# KiCad board mezi_panel.kicad_pcb
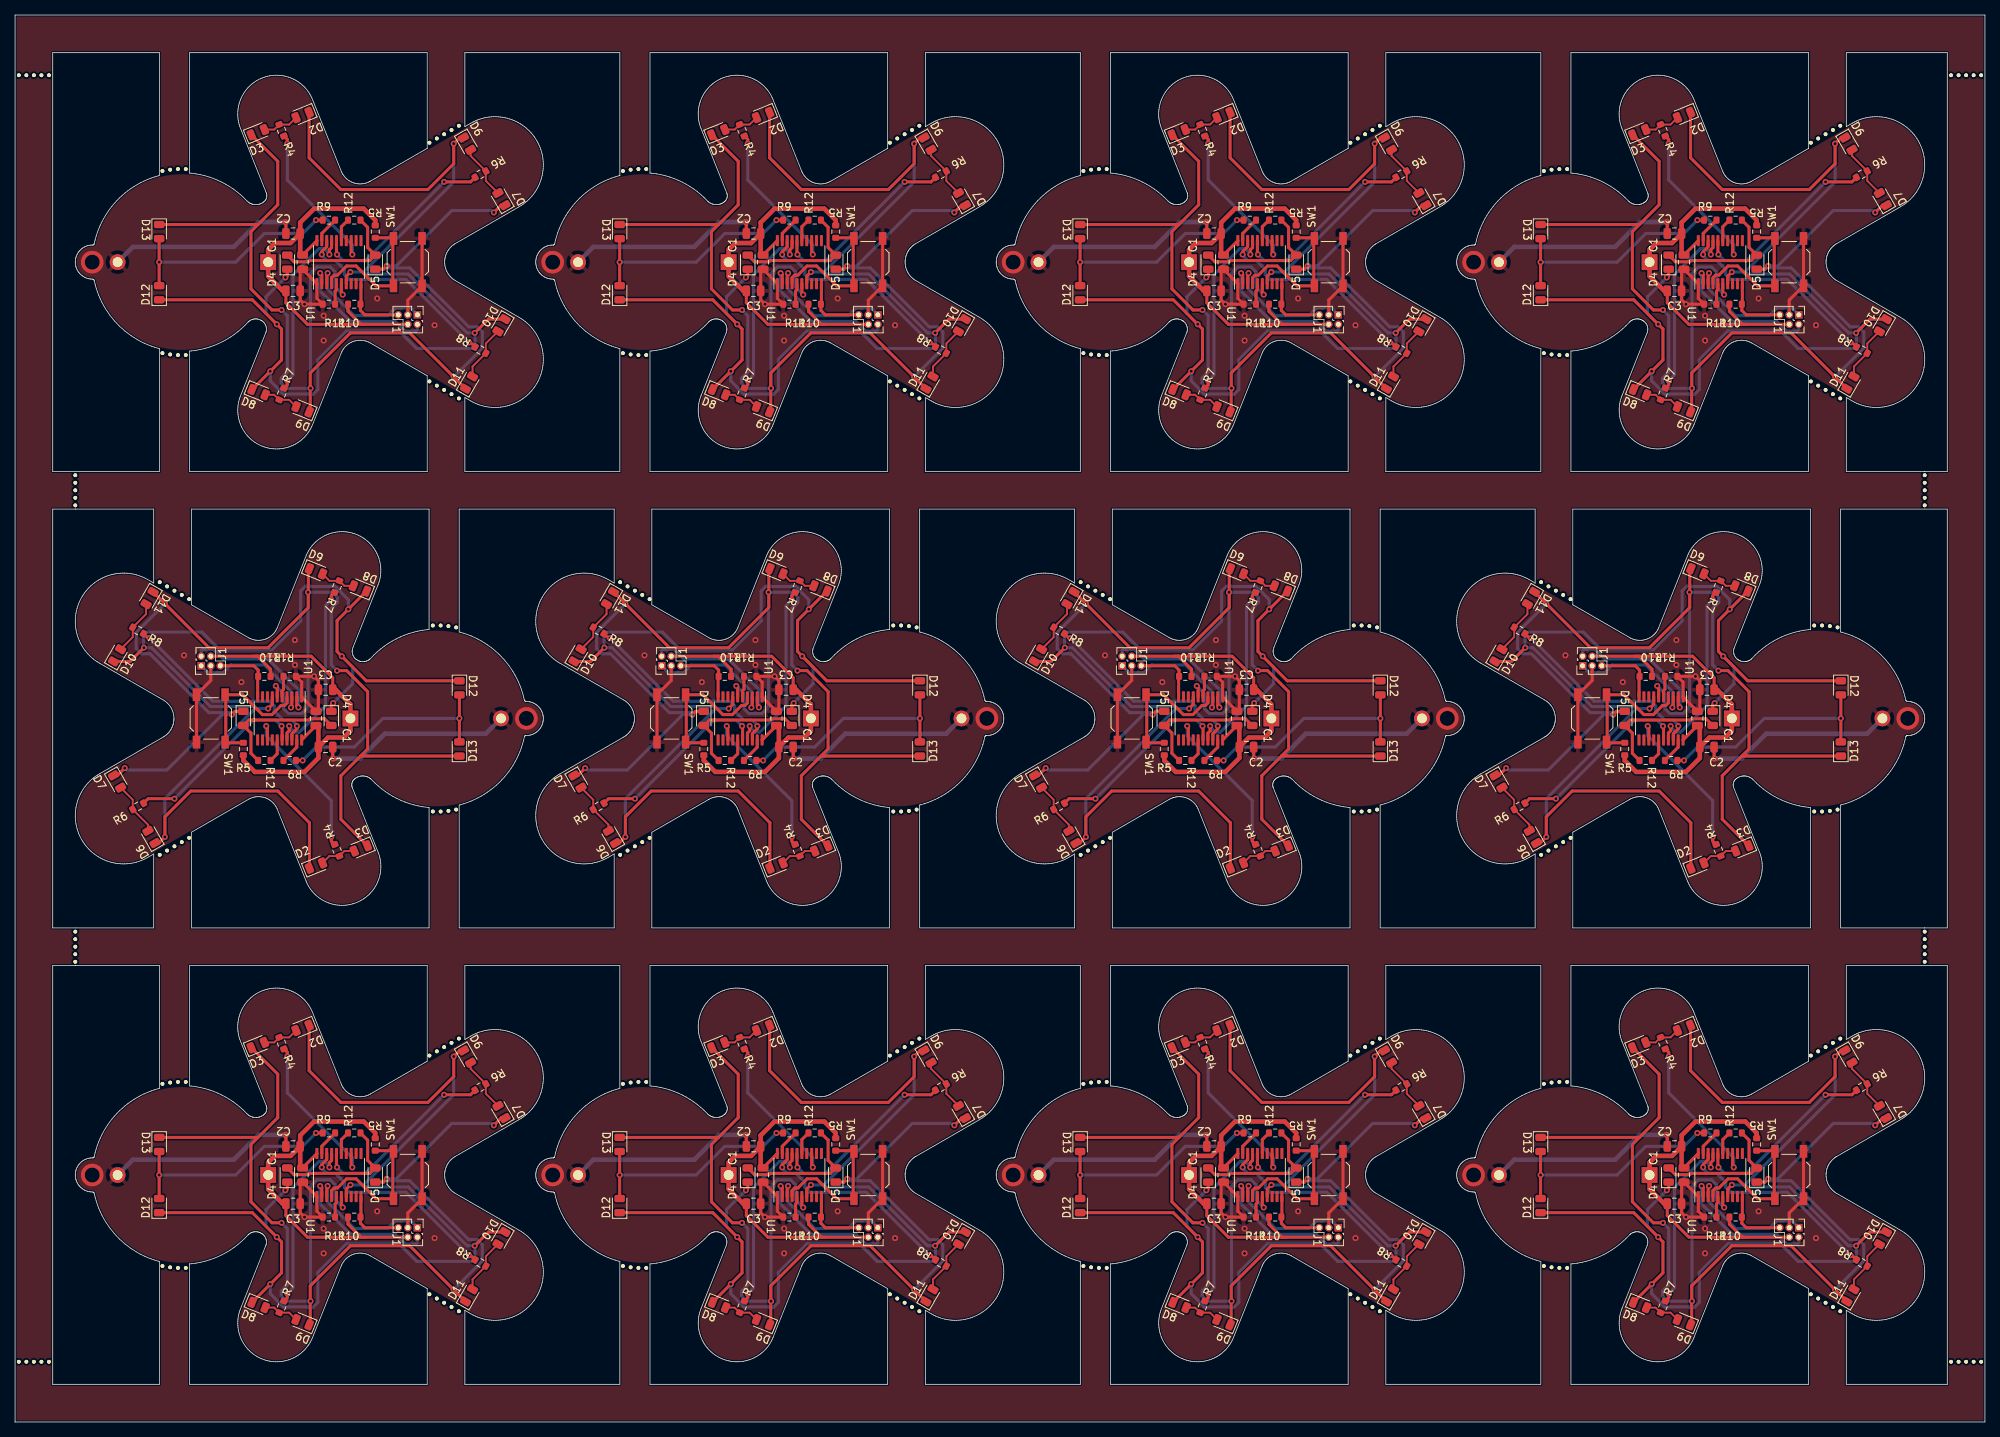
[diagram p0: board, top side]
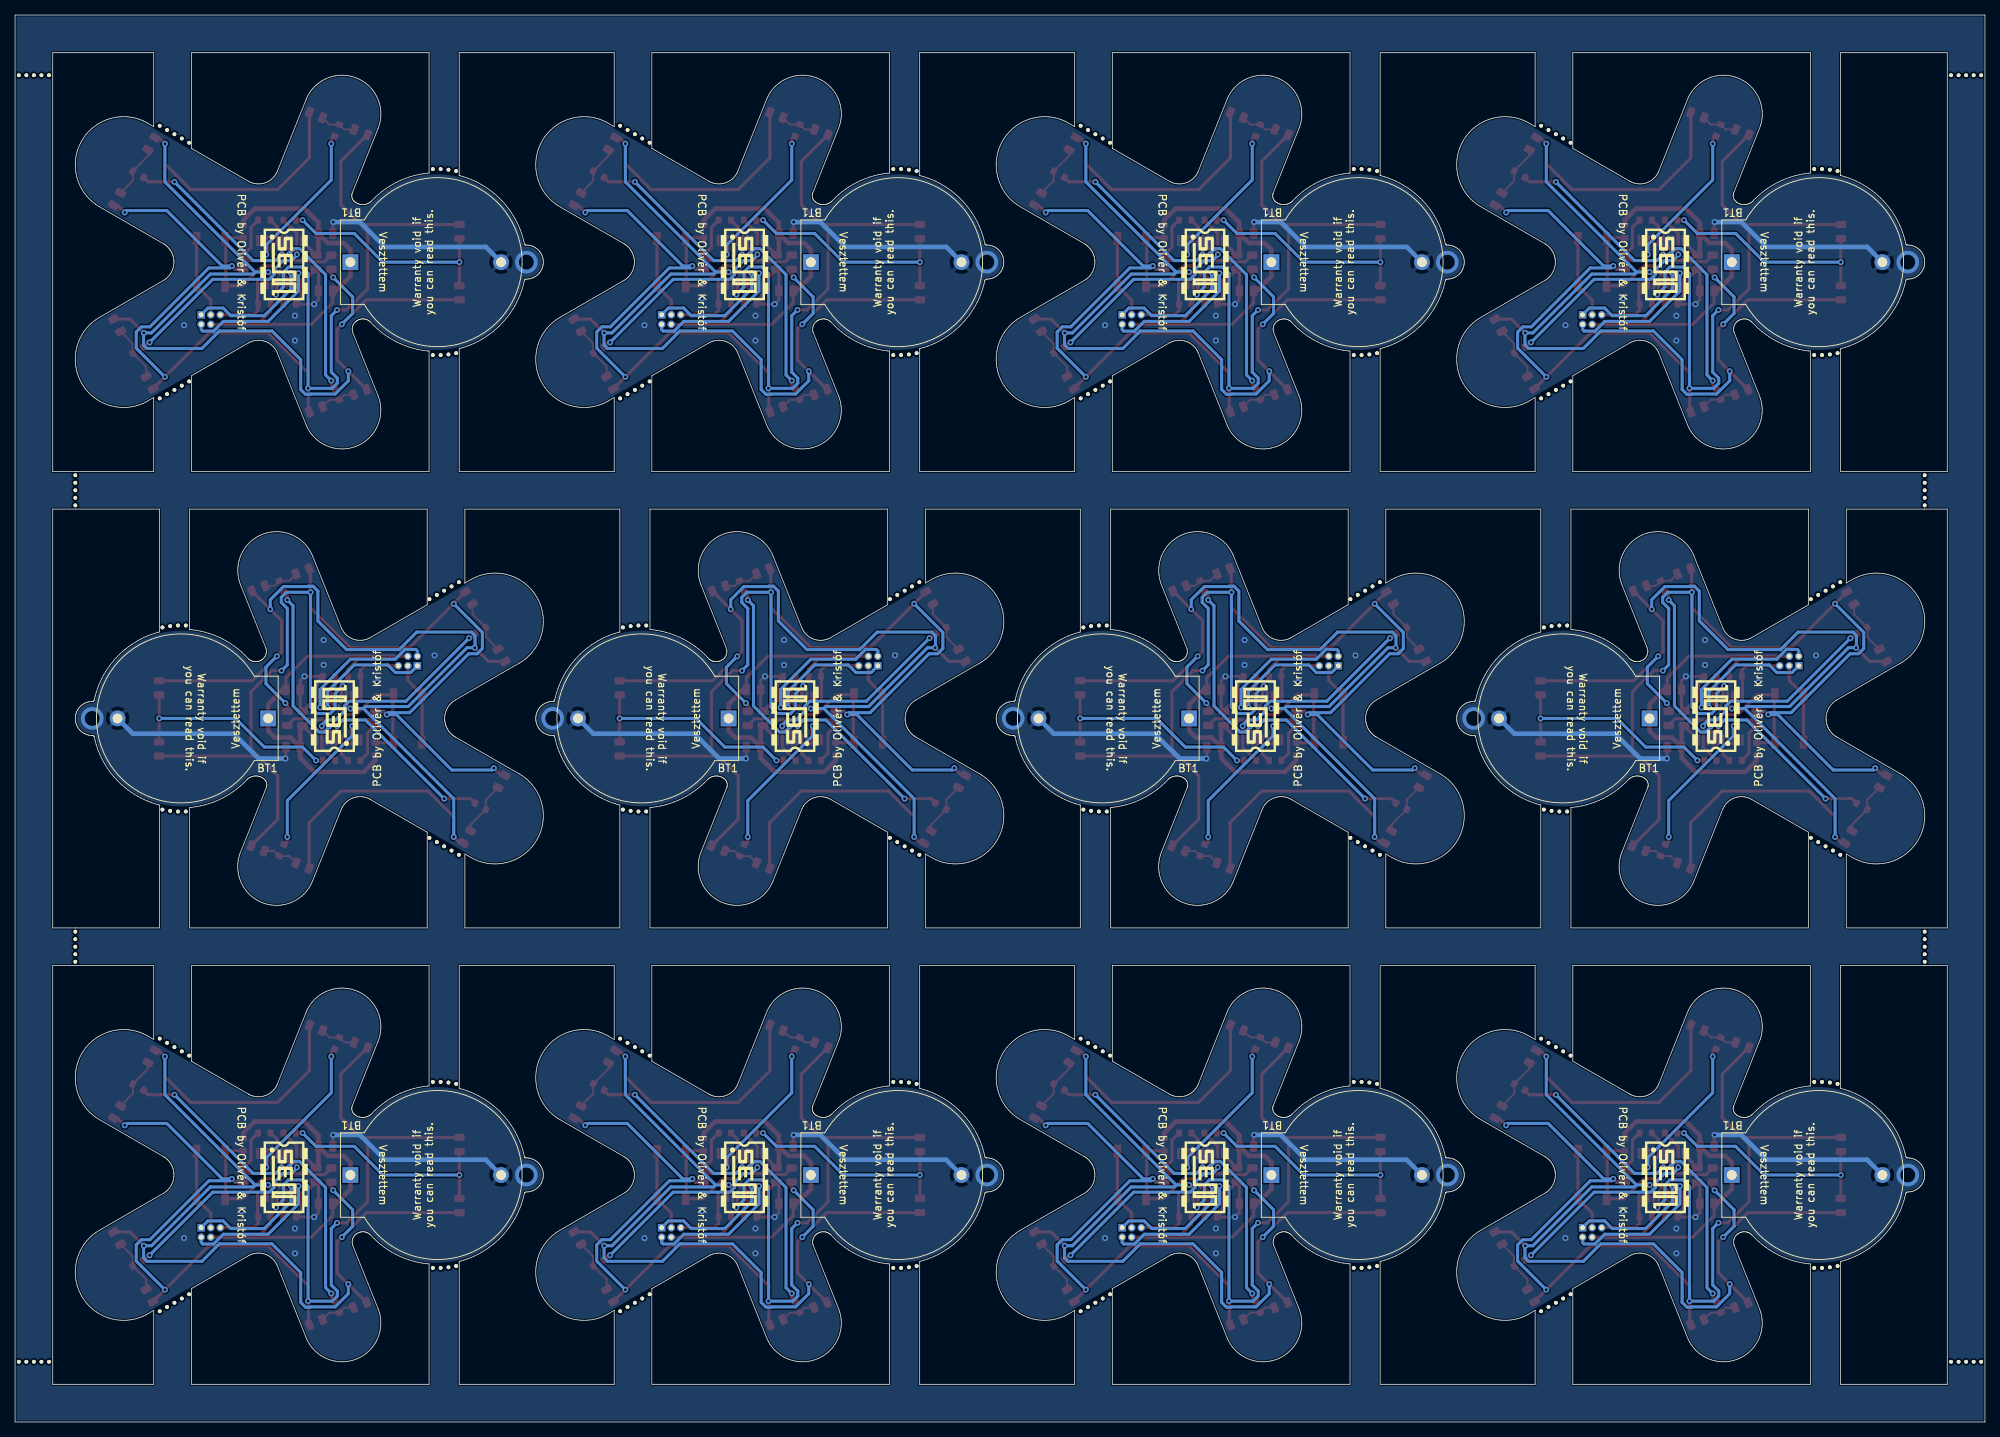
[diagram p1: board, bottom side, seen from below]

Outline 261.61 x 186.98 mm; copper layers: Top, Bottom. Coordinates in mm from the lower left corner of the outline.
Stack: Top 0.035mm / dielectric 1.51mm FR4 er 4.5 / Bottom 0.035mm

## Placement (name value [footprint] x y rotation side)
BT1  Battery  [CR2032_Holder]  94.77 154.13 180 bottom
BT1#2  Battery  [CR2032_Holder]  44.54 93.5 0 bottom
BT1#3  Battery  [CR2032_Holder]  155.92 32.82 180 bottom
BT1#4  Battery  [CR2032_Holder]  217.07 154.13 180 bottom
BT1#5  Battery  [CR2032_Holder]  94.77 32.82 180 bottom
BT1#6  Battery  [CR2032_Holder]  155.92 154.13 180 bottom
BT1#7  Battery  [CR2032_Holder]  166.84 93.5 0 bottom
BT1#8  Battery  [CR2032_Holder]  105.69 93.5 0 bottom
BT1#9  Battery  [CR2032_Holder]  228 93.5 0 bottom
BT1#10  Battery  [CR2032_Holder]  33.62 32.82 180 bottom
BT1#11  Battery  [CR2032_Holder]  217.07 32.82 180 bottom
BT1#12  Battery  [CR2032_Holder]  33.62 154.13 180 bottom
C1  100nF  [C_0805_2012Metric]  162.27 93.5 270 top
C1#2  100nF  [C_0805_2012Metric]  38.19 32.82 90 top
C1#3  100nF  [C_0805_2012Metric]  160.49 154.13 90 top
C1#4  100nF  [C_0805_2012Metric]  221.65 32.82 90 top
C1#5  100nF  [C_0805_2012Metric]  99.34 154.13 90 top
C1#6  100nF  [C_0805_2012Metric]  39.97 93.5 270 top
C1#7  100nF  [C_0805_2012Metric]  101.12 93.5 270 top
C1#8  100nF  [C_0805_2012Metric]  38.19 154.13 90 top
C1#9  100nF  [C_0805_2012Metric]  99.34 32.82 90 top
C1#10  100nF  [C_0805_2012Metric]  160.49 32.82 90 top
C1#11  100nF  [C_0805_2012Metric]  221.65 154.13 90 top
C1#12  100nF  [C_0805_2012Metric]  223.43 93.5 270 top
C2  10uF  [C_0805_2012Metric]  163.54 89.69 0 top
C2#2  10uF  [C_0805_2012Metric]  159.22 157.94 180 top
C2#3  10uF  [C_0805_2012Metric]  220.38 36.63 180 top
C2#4  10uF  [C_0805_2012Metric]  36.92 157.94 180 top
C2#5  10uF  [C_0805_2012Metric]  102.39 89.69 0 top
C2#6  10uF  [C_0805_2012Metric]  41.24 89.69 0 top
C2#7  10uF  [C_0805_2012Metric]  220.38 157.94 180 top
C2#8  10uF  [C_0805_2012Metric]  224.7 89.69 0 top
C2#9  10uF  [C_0805_2012Metric]  36.92 36.63 180 top
C2#10  10uF  [C_0805_2012Metric]  98.07 36.63 180 top
C2#11  10uF  [C_0805_2012Metric]  98.07 157.94 180 top
C2#12  10uF  [C_0805_2012Metric]  159.22 36.63 180 top
C3  10uF  [C_0805_2012Metric]  159.22 150.32 0 top
C3#2  10uF  [C_0805_2012Metric]  220.38 150.32 0 top
C3#3  10uF  [C_0805_2012Metric]  163.54 97.31 180 top
C3#4  10uF  [C_0805_2012Metric]  102.39 97.31 180 top
C3#5  10uF  [C_0805_2012Metric]  36.92 29.01 0 top
C3#6  10uF  [C_0805_2012Metric]  98.07 150.32 0 top
C3#7  10uF  [C_0805_2012Metric]  220.38 29.01 0 top
C3#8  10uF  [C_0805_2012Metric]  98.07 29.01 0 top
C3#9  10uF  [C_0805_2012Metric]  224.7 97.31 180 top
C3#10  10uF  [C_0805_2012Metric]  36.92 150.32 0 top
C3#11  10uF  [C_0805_2012Metric]  159.22 29.01 0 top
C3#12  10uF  [C_0805_2012Metric]  41.24 97.31 180 top
D2  LED  [LED_0805_2012Metric]  38.19 52.38 202 top
D2#2  LED  [LED_0805_2012Metric]  99.34 173.69 202 top
D2#3  LED  [LED_0805_2012Metric]  162.27 73.94 22 top
D2#4  LED  [LED_0805_2012Metric]  38.19 173.69 202 top
D2#5  LED  [LED_0805_2012Metric]  39.97 73.94 22 top
D2#6  LED  [LED_0805_2012Metric]  221.65 52.38 202 top
D2#7  LED  [LED_0805_2012Metric]  99.34 52.38 202 top
D2#8  LED  [LED_0805_2012Metric]  101.12 73.94 22 top
D2#9  LED  [LED_0805_2012Metric]  221.65 173.69 202 top
D2#10  LED  [LED_0805_2012Metric]  160.49 52.38 202 top
D2#11  LED  [LED_0805_2012Metric]  160.49 173.69 202 top
D2#12  LED  [LED_0805_2012Metric]  223.43 73.94 22 top
D3  LED  [LED_0805_2012Metric]  215.7 171.41 22 top
D3#2  LED  [LED_0805_2012Metric]  93.39 171.41 22 top
D3#3  LED  [LED_0805_2012Metric]  93.39 50.09 22 top
D3#4  LED  [LED_0805_2012Metric]  45.92 76.23 202 top
D3#5  LED  [LED_0805_2012Metric]  154.54 50.09 22 top
D3#6  LED  [LED_0805_2012Metric]  215.7 50.09 22 top
D3#7  LED  [LED_0805_2012Metric]  154.54 171.41 22 top
D3#8  LED  [LED_0805_2012Metric]  229.37 76.23 202 top
D3#9  LED  [LED_0805_2012Metric]  107.07 76.23 202 top
D3#10  LED  [LED_0805_2012Metric]  32.24 50.09 22 top
D3#11  LED  [LED_0805_2012Metric]  32.24 171.41 22 top
D3#12  LED  [LED_0805_2012Metric]  168.22 76.23 202 top
D4  LED  [LED_0805_2012Metric]  97.31 154.13 90 top
D4#2  LED  [LED_0805_2012Metric]  36.16 32.82 90 top
D4#3  LED  [LED_0805_2012Metric]  97.31 32.82 90 top
D4#4  LED  [LED_0805_2012Metric]  158.46 154.13 90 top
D4#5  LED  [LED_0805_2012Metric]  164.3 93.5 270 top
D4#6  LED  [LED_0805_2012Metric]  225.46 93.5 270 top
D4#7  LED  [LED_0805_2012Metric]  158.46 32.82 90 top
D4#8  LED  [LED_0805_2012Metric]  42 93.5 270 top
D4#9  LED  [LED_0805_2012Metric]  36.16 154.13 90 top
D4#10  LED  [LED_0805_2012Metric]  219.61 32.82 90 top
D4#11  LED  [LED_0805_2012Metric]  219.61 154.13 90 top
D4#12  LED  [LED_0805_2012Metric]  103.15 93.5 270 top
D5  LED  [LED_0805_2012Metric]  91.47 93.5 270 top
D5#2  LED  [LED_0805_2012Metric]  170.15 154.13 90 top
D5#3  LED  [LED_0805_2012Metric]  108.99 154.13 90 top
D5#4  LED  [LED_0805_2012Metric]  231.3 32.82 90 top
D5#5  LED  [LED_0805_2012Metric]  47.84 154.13 90 top
D5#6  LED  [LED_0805_2012Metric]  231.3 154.13 90 top
D5#7  LED  [LED_0805_2012Metric]  213.77 93.5 270 top
D5#8  LED  [LED_0805_2012Metric]  152.62 93.5 270 top
D5#9  LED  [LED_0805_2012Metric]  170.15 32.82 90 top
D5#10  LED  [LED_0805_2012Metric]  30.31 93.5 270 top
D5#11  LED  [LED_0805_2012Metric]  108.99 32.82 90 top
D5#12  LED  [LED_0805_2012Metric]  47.84 32.82 90 top
D6  LED  [LED_0805_2012Metric]  121.18 48.57 300 top
D6#2  LED  [LED_0805_2012Metric]  121.18 169.88 300 top
D6#3  LED  [LED_0805_2012Metric]  182.34 48.57 300 top
D6#4  LED  [LED_0805_2012Metric]  60.03 48.57 300 top
D6#5  LED  [LED_0805_2012Metric]  182.34 169.88 300 top
D6#6  LED  [LED_0805_2012Metric]  140.43 77.75 120 top
D6#7  LED  [LED_0805_2012Metric]  60.03 169.88 300 top
D6#8  LED  [LED_0805_2012Metric]  18.12 77.75 120 top
D6#9  LED  [LED_0805_2012Metric]  79.28 77.75 120 top
D6#10  LED  [LED_0805_2012Metric]  243.49 169.88 300 top
D6#11  LED  [LED_0805_2012Metric]  201.58 77.75 120 top
D6#12  LED  [LED_0805_2012Metric]  243.49 48.57 300 top
D7  LED  [LED_0805_2012Metric]  248.06 162.52 120 top
D7#2  LED  [LED_0805_2012Metric]  64.6 41.2 120 top
D7#3  LED  [LED_0805_2012Metric]  135.86 85.12 300 top
D7#4  LED  [LED_0805_2012Metric]  186.91 41.2 120 top
D7#5  LED  [LED_0805_2012Metric]  197.01 85.12 300 top
D7#6  LED  [LED_0805_2012Metric]  64.6 162.52 120 top
D7#7  LED  [LED_0805_2012Metric]  125.76 41.2 120 top
D7#8  LED  [LED_0805_2012Metric]  248.06 41.2 120 top
D7#9  LED  [LED_0805_2012Metric]  13.55 85.12 300 top
D7#10  LED  [LED_0805_2012Metric]  125.76 162.52 120 top
D7#11  LED  [LED_0805_2012Metric]  74.7 85.12 300 top
D7#12  LED  [LED_0805_2012Metric]  186.91 162.52 120 top
D8  LED  [LED_0805_2012Metric]  154.65 15.55 338 top
D8#2  LED  [LED_0805_2012Metric]  154.65 136.86 338 top
D8#3  LED  [LED_0805_2012Metric]  168.11 110.77 158 top
D8#4  LED  [LED_0805_2012Metric]  32.35 15.55 338 top
D8#5  LED  [LED_0805_2012Metric]  215.8 15.55 338 top
D8#6  LED  [LED_0805_2012Metric]  32.35 136.86 338 top
D8#7  LED  [LED_0805_2012Metric]  215.8 136.86 338 top
D8#8  LED  [LED_0805_2012Metric]  106.96 110.77 158 top
D8#9  LED  [LED_0805_2012Metric]  93.5 136.86 338 top
D8#10  LED  [LED_0805_2012Metric]  45.81 110.77 158 top
D8#11  LED  [LED_0805_2012Metric]  229.27 110.77 158 top
D8#12  LED  [LED_0805_2012Metric]  93.5 15.55 338 top
D9  LED  [LED_0805_2012Metric]  160.49 134.58 158 top
D9#2  LED  [LED_0805_2012Metric]  221.65 13.26 158 top
D9#3  LED  [LED_0805_2012Metric]  99.34 13.26 158 top
D9#4  LED  [LED_0805_2012Metric]  101.12 113.06 338 top
D9#5  LED  [LED_0805_2012Metric]  38.19 134.58 158 top
D9#6  LED  [LED_0805_2012Metric]  99.34 134.58 158 top
D9#7  LED  [LED_0805_2012Metric]  221.65 134.58 158 top
D9#8  LED  [LED_0805_2012Metric]  38.19 13.26 158 top
D9#9  LED  [LED_0805_2012Metric]  39.97 113.06 338 top
D9#10  LED  [LED_0805_2012Metric]  223.43 113.06 338 top
D9#11  LED  [LED_0805_2012Metric]  160.49 13.26 158 top
D9#12  LED  [LED_0805_2012Metric]  162.27 113.06 338 top
D10  LED  [LED_0805_2012Metric]  186.91 24.44 240 top
D10#2  LED  [LED_0805_2012Metric]  64.6 145.75 240 top
D10#3  LED  [LED_0805_2012Metric]  64.6 24.44 240 top
D10#4  LED  [LED_0805_2012Metric]  125.76 24.44 240 top
D10#5  LED  [LED_0805_2012Metric]  197.01 101.88 60 top
D10#6  LED  [LED_0805_2012Metric]  125.76 145.75 240 top
D10#7  LED  [LED_0805_2012Metric]  74.7 101.88 60 top
D10#8  LED  [LED_0805_2012Metric]  186.91 145.75 240 top
D10#9  LED  [LED_0805_2012Metric]  13.55 101.88 60 top
D10#10  LED  [LED_0805_2012Metric]  248.06 145.75 240 top
D10#11  LED  [LED_0805_2012Metric]  135.86 101.88 60 top
D10#12  LED  [LED_0805_2012Metric]  248.06 24.44 240 top
D11  LED  [LED_0805_2012Metric]  121.44 138.13 60 top
D11#2  LED  [LED_0805_2012Metric]  182.59 138.13 60 top
D11#3  LED  [LED_0805_2012Metric]  60.29 16.82 60 top
D11#4  LED  [LED_0805_2012Metric]  201.33 109.5 240 top
D11#5  LED  [LED_0805_2012Metric]  140.17 109.5 240 top
D11#6  LED  [LED_0805_2012Metric]  243.74 138.13 60 top
D11#7  LED  [LED_0805_2012Metric]  121.44 16.82 60 top
D11#8  LED  [LED_0805_2012Metric]  243.74 16.82 60 top
D11#9  LED  [LED_0805_2012Metric]  60.29 138.13 60 top
D11#10  LED  [LED_0805_2012Metric]  79.02 109.5 240 top
D11#11  LED  [LED_0805_2012Metric]  182.59 16.82 60 top
D11#12  LED  [LED_0805_2012Metric]  17.87 109.5 240 top
D12  LED  [LED_0805_2012Metric]  141.44 150.07 90 top
D12#2  LED  [LED_0805_2012Metric]  120.17 97.56 270 top
D12#3  LED  [LED_0805_2012Metric]  202.6 150.07 90 top
D12#4  LED  [LED_0805_2012Metric]  80.29 28.75 90 top
D12#5  LED  [LED_0805_2012Metric]  19.14 150.07 90 top
D12#6  LED  [LED_0805_2012Metric]  202.6 28.75 90 top
D12#7  LED  [LED_0805_2012Metric]  141.44 28.75 90 top
D12#8  LED  [LED_0805_2012Metric]  242.48 97.56 270 top
D12#9  LED  [LED_0805_2012Metric]  181.32 97.56 270 top
D12#10  LED  [LED_0805_2012Metric]  19.14 28.75 90 top
D12#11  LED  [LED_0805_2012Metric]  59.02 97.56 270 top
D12#12  LED  [LED_0805_2012Metric]  80.29 150.07 90 top
D13  LED  [LED_0805_2012Metric]  19.14 158.2 270 top
D13#2  LED  [LED_0805_2012Metric]  19.14 36.88 270 top
D13#3  LED  [LED_0805_2012Metric]  202.6 158.2 270 top
D13#4  LED  [LED_0805_2012Metric]  120.17 89.44 90 top
D13#5  LED  [LED_0805_2012Metric]  141.44 158.2 270 top
D13#6  LED  [LED_0805_2012Metric]  80.29 36.88 270 top
D13#7  LED  [LED_0805_2012Metric]  181.32 89.44 90 top
D13#8  LED  [LED_0805_2012Metric]  242.48 89.44 90 top
D13#9  LED  [LED_0805_2012Metric]  80.29 158.2 270 top
D13#10  LED  [LED_0805_2012Metric]  202.6 36.88 270 top
D13#11  LED  [LED_0805_2012Metric]  141.44 36.88 270 top
D13#12  LED  [LED_0805_2012Metric]  59.02 89.44 90 top
J1  Conn_2Rows-05Pins  [ProgConnector_5pin]  114.59 25.82 270 top
J1#2  Conn_2Rows-05Pins  [ProgConnector_5pin]  114.59 147.14 270 top
J1#3  Conn_2Rows-05Pins  [ProgConnector_5pin]  85.87 100.49 90 top
J1#4  Conn_2Rows-05Pins  [ProgConnector_5pin]  147.03 100.49 90 top
J1#5  Conn_2Rows-05Pins  [ProgConnector_5pin]  175.74 147.14 270 top
J1#6  Conn_2Rows-05Pins  [ProgConnector_5pin]  236.89 147.14 270 top
J1#7  Conn_2Rows-05Pins  [ProgConnector_5pin]  53.43 25.82 270 top
J1#8  Conn_2Rows-05Pins  [ProgConnector_5pin]  24.72 100.49 90 top
J1#9  Conn_2Rows-05Pins  [ProgConnector_5pin]  236.89 25.82 270 top
J1#10  Conn_2Rows-05Pins  [ProgConnector_5pin]  208.18 100.49 90 top
J1#11  Conn_2Rows-05Pins  [ProgConnector_5pin]  53.43 147.14 270 top
J1#12  Conn_2Rows-05Pins  [ProgConnector_5pin]  175.74 25.82 270 top
KiKit_MB_1_2  -  [NPTH]  19.57 142.04 0 top
KiKit_MB_1_3  -  [NPTH]  20.6 141.87 0 top
KiKit_MB_1_4  -  [NPTH]  21.63 141.78 0 top
KiKit_MB_1_5  -  [NPTH]  22.67 141.79 0 top
KiKit_MB_2_2  -  [NPTH]  55.03 138.29 0 top
KiKit_MB_2_3  -  [NPTH]  56.01 137.72 0 top
KiKit_MB_2_4  -  [NPTH]  56.99 137.16 0 top
KiKit_MB_2_5  -  [NPTH]  57.96 136.59 0 top
KiKit_MB_2_6  -  [NPTH]  58.94 136.03 0 top
KiKit_MB_3_2  -  [NPTH]  58.94 172.26 0 top
KiKit_MB_3_3  -  [NPTH]  57.96 171.7 0 top
KiKit_MB_3_4  -  [NPTH]  56.99 171.13 0 top
KiKit_MB_3_5  -  [NPTH]  56.01 170.57 0 top
KiKit_MB_3_6  -  [NPTH]  55.03 170.01 0 top
KiKit_MB_4_2  -  [NPTH]  22.67 166.51 0 top
KiKit_MB_4_3  -  [NPTH]  21.63 166.51 0 top
KiKit_MB_4_4  -  [NPTH]  20.6 166.42 0 top
KiKit_MB_4_5  -  [NPTH]  19.57 166.25 0 top
KiKit_MB_5_2  -  [NPTH]  80.73 142.04 0 top
KiKit_MB_5_3  -  [NPTH]  81.75 141.87 0 top
KiKit_MB_5_4  -  [NPTH]  82.79 141.78 0 top
KiKit_MB_5_5  -  [NPTH]  83.83 141.79 0 top
KiKit_MB_6_2  -  [NPTH]  116.19 138.29 0 top
KiKit_MB_6_3  -  [NPTH]  117.16 137.72 0 top
KiKit_MB_6_4  -  [NPTH]  118.14 137.16 0 top
KiKit_MB_6_5  -  [NPTH]  119.12 136.59 0 top
KiKit_MB_6_6  -  [NPTH]  120.1 136.03 0 top
KiKit_MB_7_2  -  [NPTH]  120.1 172.26 0 top
KiKit_MB_7_3  -  [NPTH]  119.12 171.7 0 top
KiKit_MB_7_4  -  [NPTH]  118.14 171.13 0 top
KiKit_MB_7_5  -  [NPTH]  117.16 170.57 0 top
KiKit_MB_7_6  -  [NPTH]  116.19 170.01 0 top
KiKit_MB_8_2  -  [NPTH]  83.82 166.51 0 top
KiKit_MB_8_3  -  [NPTH]  82.79 166.51 0 top
KiKit_MB_8_4  -  [NPTH]  81.75 166.42 0 top
KiKit_MB_8_5  -  [NPTH]  80.73 166.25 0 top
KiKit_MB_9_2  -  [NPTH]  141.88 142.04 0 top
KiKit_MB_9_3  -  [NPTH]  142.9 141.87 0 top
KiKit_MB_9_4  -  [NPTH]  143.94 141.78 0 top
KiKit_MB_9_5  -  [NPTH]  144.98 141.79 0 top
KiKit_MB_10_2  -  [NPTH]  177.34 138.29 0 top
KiKit_MB_10_3  -  [NPTH]  178.32 137.72 0 top
KiKit_MB_10_4  -  [NPTH]  179.29 137.16 0 top
KiKit_MB_10_5  -  [NPTH]  180.27 136.59 0 top
KiKit_MB_10_6  -  [NPTH]  181.25 136.03 0 top
KiKit_MB_11_2  -  [NPTH]  181.25 172.26 0 top
KiKit_MB_11_3  -  [NPTH]  180.27 171.7 0 top
KiKit_MB_11_4  -  [NPTH]  179.29 171.13 0 top
KiKit_MB_11_5  -  [NPTH]  178.32 170.57 0 top
KiKit_MB_11_6  -  [NPTH]  177.34 170.01 0 top
KiKit_MB_12_2  -  [NPTH]  144.98 166.51 0 top
KiKit_MB_12_3  -  [NPTH]  143.94 166.51 0 top
KiKit_MB_12_4  -  [NPTH]  142.9 166.42 0 top
KiKit_MB_12_5  -  [NPTH]  141.88 166.25 0 top
KiKit_MB_13_2  -  [NPTH]  203.03 142.04 0 top
KiKit_MB_13_3  -  [NPTH]  204.06 141.87 0 top
KiKit_MB_13_4  -  [NPTH]  205.09 141.78 0 top
KiKit_MB_13_5  -  [NPTH]  206.13 141.79 0 top
KiKit_MB_14_2  -  [NPTH]  238.49 138.29 0 top
KiKit_MB_14_3  -  [NPTH]  239.47 137.72 0 top
KiKit_MB_14_4  -  [NPTH]  240.45 137.16 0 top
KiKit_MB_14_5  -  [NPTH]  241.42 136.59 0 top
KiKit_MB_14_6  -  [NPTH]  242.4 136.03 0 top
KiKit_MB_15_2  -  [NPTH]  242.4 172.26 0 top
KiKit_MB_15_3  -  [NPTH]  241.42 171.7 0 top
KiKit_MB_15_4  -  [NPTH]  240.45 171.13 0 top
KiKit_MB_15_5  -  [NPTH]  239.47 170.57 0 top
KiKit_MB_15_6  -  [NPTH]  238.49 170.01 0 top
KiKit_MB_16_2  -  [NPTH]  206.13 166.51 0 top
KiKit_MB_16_3  -  [NPTH]  205.09 166.51 0 top
KiKit_MB_16_4  -  [NPTH]  204.06 166.42 0 top
KiKit_MB_16_5  -  [NPTH]  203.03 166.25 0 top
KiKit_MB_17_2  -  [NPTH]  58.58 105.59 0 top
KiKit_MB_17_3  -  [NPTH]  57.55 105.77 0 top
KiKit_MB_17_4  -  [NPTH]  56.52 105.85 0 top
KiKit_MB_17_5  -  [NPTH]  55.48 105.85 0 top
KiKit_MB_18_2  -  [NPTH]  23.12 109.35 0 top
KiKit_MB_18_3  -  [NPTH]  22.14 109.91 0 top
KiKit_MB_18_4  -  [NPTH]  21.17 110.48 0 top
KiKit_MB_18_5  -  [NPTH]  20.19 111.04 0 top
KiKit_MB_18_6  -  [NPTH]  19.21 111.61 0 top
KiKit_MB_19_2  -  [NPTH]  19.21 75.37 0 top
KiKit_MB_19_3  -  [NPTH]  20.19 75.93 0 top
KiKit_MB_19_4  -  [NPTH]  21.17 76.5 0 top
KiKit_MB_19_5  -  [NPTH]  22.14 77.06 0 top
KiKit_MB_19_6  -  [NPTH]  23.12 77.63 0 top
KiKit_MB_20_2  -  [NPTH]  55.48 81.13 0 top
KiKit_MB_20_3  -  [NPTH]  56.52 81.12 0 top
KiKit_MB_20_4  -  [NPTH]  57.56 81.21 0 top
KiKit_MB_20_5  -  [NPTH]  58.58 81.38 0 top
KiKit_MB_21_2  -  [NPTH]  119.73 105.59 0 top
KiKit_MB_21_3  -  [NPTH]  118.71 105.77 0 top
KiKit_MB_21_4  -  [NPTH]  117.67 105.85 0 top
KiKit_MB_21_5  -  [NPTH]  116.63 105.85 0 top
KiKit_MB_22_2  -  [NPTH]  84.27 109.35 0 top
KiKit_MB_22_3  -  [NPTH]  83.3 109.91 0 top
KiKit_MB_22_4  -  [NPTH]  82.32 110.48 0 top
KiKit_MB_22_5  -  [NPTH]  81.34 111.04 0 top
KiKit_MB_22_6  -  [NPTH]  80.36 111.61 0 top
KiKit_MB_23_2  -  [NPTH]  80.36 75.37 0 top
KiKit_MB_23_3  -  [NPTH]  81.34 75.93 0 top
KiKit_MB_23_4  -  [NPTH]  82.32 76.5 0 top
KiKit_MB_23_5  -  [NPTH]  83.3 77.06 0 top
KiKit_MB_23_6  -  [NPTH]  84.27 77.63 0 top
KiKit_MB_24_2  -  [NPTH]  116.64 81.13 0 top
KiKit_MB_24_3  -  [NPTH]  117.67 81.12 0 top
KiKit_MB_24_4  -  [NPTH]  118.71 81.21 0 top
KiKit_MB_24_5  -  [NPTH]  119.73 81.38 0 top
KiKit_MB_25_2  -  [NPTH]  180.89 105.59 0 top
KiKit_MB_25_3  -  [NPTH]  179.86 105.77 0 top
KiKit_MB_25_4  -  [NPTH]  178.83 105.85 0 top
KiKit_MB_25_5  -  [NPTH]  177.79 105.85 0 top
KiKit_MB_26_2  -  [NPTH]  145.43 109.35 0 top
KiKit_MB_26_3  -  [NPTH]  144.45 109.91 0 top
KiKit_MB_26_4  -  [NPTH]  143.47 110.48 0 top
KiKit_MB_26_5  -  [NPTH]  142.49 111.04 0 top
KiKit_MB_26_6  -  [NPTH]  141.52 111.61 0 top
KiKit_MB_27_2  -  [NPTH]  141.52 75.37 0 top
KiKit_MB_27_3  -  [NPTH]  142.49 75.93 0 top
KiKit_MB_27_4  -  [NPTH]  143.47 76.5 0 top
KiKit_MB_27_5  -  [NPTH]  144.45 77.06 0 top
KiKit_MB_27_6  -  [NPTH]  145.43 77.63 0 top
KiKit_MB_28_2  -  [NPTH]  177.79 81.13 0 top
KiKit_MB_28_3  -  [NPTH]  178.83 81.12 0 top
KiKit_MB_28_4  -  [NPTH]  179.86 81.21 0 top
KiKit_MB_28_5  -  [NPTH]  180.89 81.38 0 top
KiKit_MB_29_2  -  [NPTH]  242.04 105.59 0 top
KiKit_MB_29_3  -  [NPTH]  241.01 105.77 0 top
KiKit_MB_29_4  -  [NPTH]  239.98 105.85 0 top
KiKit_MB_29_5  -  [NPTH]  238.94 105.85 0 top
KiKit_MB_30_2  -  [NPTH]  206.58 109.35 0 top
KiKit_MB_30_3  -  [NPTH]  205.6 109.91 0 top
KiKit_MB_30_4  -  [NPTH]  204.63 110.48 0 top
KiKit_MB_30_5  -  [NPTH]  203.65 111.04 0 top
KiKit_MB_30_6  -  [NPTH]  202.67 111.61 0 top
KiKit_MB_31_2  -  [NPTH]  202.67 75.37 0 top
KiKit_MB_31_3  -  [NPTH]  203.65 75.93 0 top
KiKit_MB_31_4  -  [NPTH]  204.63 76.5 0 top
KiKit_MB_31_5  -  [NPTH]  205.6 77.06 0 top
KiKit_MB_31_6  -  [NPTH]  206.58 77.63 0 top
KiKit_MB_32_2  -  [NPTH]  238.94 81.13 0 top
KiKit_MB_32_3  -  [NPTH]  239.98 81.12 0 top
KiKit_MB_32_4  -  [NPTH]  241.01 81.21 0 top
KiKit_MB_32_5  -  [NPTH]  242.04 81.38 0 top
KiKit_MB_33_2  -  [NPTH]  19.57 20.72 0 top
KiKit_MB_33_3  -  [NPTH]  20.6 20.55 0 top
KiKit_MB_33_4  -  [NPTH]  21.63 20.47 0 top
KiKit_MB_33_5  -  [NPTH]  22.67 20.47 0 top
KiKit_MB_34_2  -  [NPTH]  55.03 16.97 0 top
KiKit_MB_34_3  -  [NPTH]  56.01 16.4 0 top
KiKit_MB_34_4  -  [NPTH]  56.99 15.84 0 top
KiKit_MB_34_5  -  [NPTH]  57.96 15.28 0 top
KiKit_MB_34_6  -  [NPTH]  58.94 14.71 0 top
KiKit_MB_35_2  -  [NPTH]  58.94 50.95 0 top
KiKit_MB_35_3  -  [NPTH]  57.96 50.38 0 top
KiKit_MB_35_4  -  [NPTH]  56.99 49.82 0 top
KiKit_MB_35_5  -  [NPTH]  56.01 49.25 0 top
KiKit_MB_35_6  -  [NPTH]  55.03 48.69 0 top
KiKit_MB_36_2  -  [NPTH]  22.67 45.19 0 top
KiKit_MB_36_3  -  [NPTH]  21.63 45.19 0 top
KiKit_MB_36_4  -  [NPTH]  20.6 45.11 0 top
KiKit_MB_36_5  -  [NPTH]  19.57 44.93 0 top
KiKit_MB_37_2  -  [NPTH]  80.73 20.72 0 top
KiKit_MB_37_3  -  [NPTH]  81.75 20.55 0 top
KiKit_MB_37_4  -  [NPTH]  82.79 20.47 0 top
KiKit_MB_37_5  -  [NPTH]  83.83 20.47 0 top
KiKit_MB_38_2  -  [NPTH]  116.19 16.97 0 top
KiKit_MB_38_3  -  [NPTH]  117.16 16.4 0 top
KiKit_MB_38_4  -  [NPTH]  118.14 15.84 0 top
KiKit_MB_38_5  -  [NPTH]  119.12 15.28 0 top
KiKit_MB_38_6  -  [NPTH]  120.1 14.71 0 top
KiKit_MB_39_2  -  [NPTH]  120.1 50.95 0 top
KiKit_MB_39_3  -  [NPTH]  119.12 50.38 0 top
KiKit_MB_39_4  -  [NPTH]  118.14 49.82 0 top
KiKit_MB_39_5  -  [NPTH]  117.16 49.25 0 top
KiKit_MB_39_6  -  [NPTH]  116.19 48.69 0 top
KiKit_MB_40_2  -  [NPTH]  83.82 45.19 0 top
KiKit_MB_40_3  -  [NPTH]  82.79 45.19 0 top
KiKit_MB_40_4  -  [NPTH]  81.75 45.11 0 top
KiKit_MB_40_5  -  [NPTH]  80.73 44.93 0 top